# KiCad board PC110.kicad_pcb (continued)
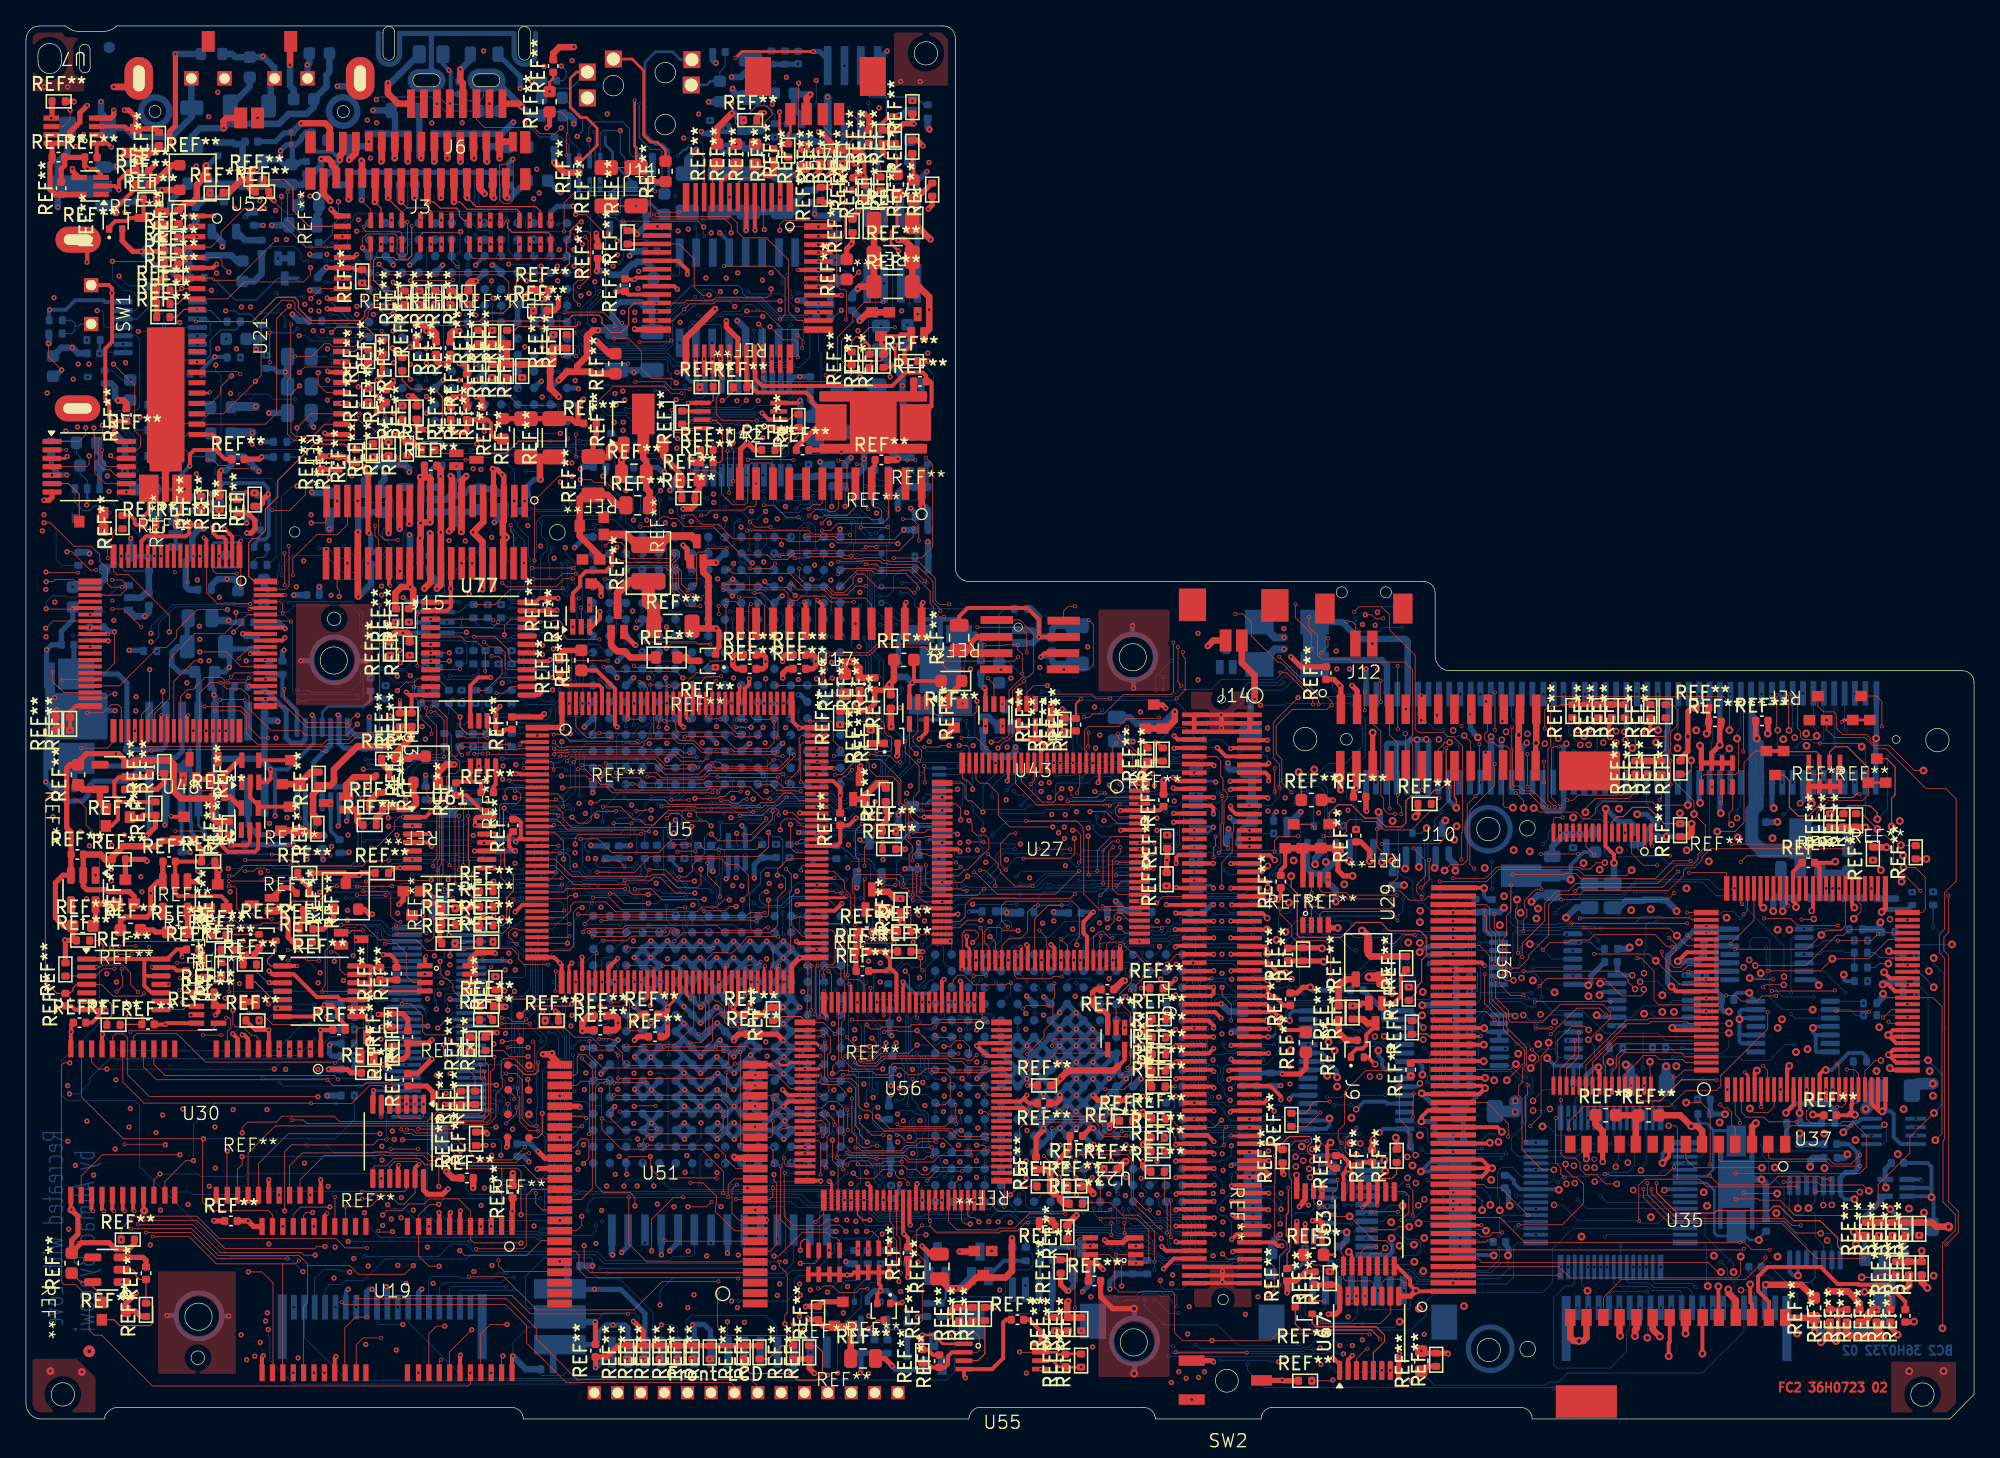
[diagram p0: board, top side]
## Routing (per net, layer and track width the routed paths; a pad name or vN(x,y) marks a point on that pad's centre or on a via; arc(x,y) is an arc through that point) (continued)
  IC4 w0.05: 69.54,61.95 69.39,61.95 69.3,61.86 69.3,55.33 67.09,53.12 v1(67.09,51.09) 67.09,49.49 66.19,48.59 66.19,47.27 65.81,46.89 65.81,45.79 66.16,45.44 66.16,44 66.46,43.7 66.46,42.93 66.24,42.71 65.77,42.71 65.57,42.91 65.57,43.73 65.82,43.98 65.82,45.17 65.19,45.8 v1(65.19,46.32) 65.19,46.84 65.8,47.45 65.8,48.81 66.7,49.71 66.7,50.29 66.46,50.53 66.46,53.15 68.9,55.59 68.9,62.38 68.65,62.63 68.65,63.15 68.9,63.4 69.53,63.4 ; 69.54,61.95 69.86,61.95 72.55,59.26 72.55,58.37 72.3,58.12 72.3,57.49 72.54,57.25 72.95,57.25 73.18,57.48 73.18,58.14 72.95,58.37 72.95,59.5 69.91,62.54 69.91,66.35 69.01,67.25 69.01,68.3 69.91,69.2 69.91,80.27 68.99,81.19 68.99,84.91 v1(69.57,85.49) 69.57,85.56 69,86.13 69,92.25 66.86,94.39 66.86,96.08 65.28,97.66 59.71,97.66 58.48,96.43 58.48,95.49 60.62,93.35 62.4,93.35 62.54,93.49 62.54,93.97 62.3,94.21 60.4,94.21 58.85,95.76 58.85,96.08 60.06,97.29 64.91,97.29 66.47,95.73 66.47,94.14 68.6,92.01 68.6,80.97 69.53,80.04 69.53,69.5 68.65,68.62 68.65,66.96 69.53,66.08 69.53,63.4 ; 69.54,61.95 69.53,61.96 69.53,63.4 ; 47.22,69.73 47.21,69.72 47.21,68.84 ; 47.22,69.73 47.4,69.73 47.61,69.94 47.61,72.18 48.94,73.51 49.48,73.51 49.68,73.31 49.68,72.86 49.36,72.54 48.98,72.54 47.98,71.54 47.98,70.13 48.25,69.86 48.25,69.07 48.02,68.84 47.21,68.84 ; 47.22,69.73 46.22,69.73 45.99,69.5 45.24,69.5 44.64,68.9 44.64,66.33 44.76,66.21 44.76,59.5 44.67,59.41 44.67,29.13 44.35,28.81 43.7,28.81 43.48,29.03 42.57,29.03 42.38,28.84 42.38,28.32 42.55,28.15 43.47,28.15 43.7,28.38 44.61,28.38 45.1,28.87 45.1,35.09 45.5,35.49 v1(45.58,35.49) 45.1,35.97 45.1,53.02 45.41,53.33 v1(45.54,53.33) 45.1,53.77 45.1,59.15 45.14,59.19 45.14,66.73 45.04,66.82 45.04,68.65 45.49,69.1 45.92,69.1 46.18,68.84 47.21,68.84 ; v1(10.68,45.77) 11.75,45.77 11.77,45.79 ; 38.2,68.1 38.16,68.1 38.14,68.12 38.14,81.56 38.82,82.24 38.82,82.9 38.81,82.9 38.61,83.1 38.14,83.1 37.95,82.91 37.95,82.3 37.84,82.19 37.75,82.19 ; 38.2,68.1 38.15,68.05 38.15,52.28 38.55,51.88 38.55,42.35 ; 38.2,68.1 38.21,68.11 38.49,68.11 39.04,68.66 39.04,70 40.18,71.14 40.18,71.86 v1(39.65,72.39) 40.16,72.9 40.16,79.51 v1(39.7,79.97) 39.7,80.07 40.65,81.02 40.65,83.22 39.9,83.97 36.59,83.97 35.78,84.78 35.78,85.93 35.52,86.19 35.52,86.61 35.79,86.88 36.23,86.88 36.48,86.63 36.48,86.19 36.23,85.94 36.23,85.07 36.92,84.38 40.14,84.38 41.06,83.46 41.06,80.74 40.57,80.25 40.57,70.91 39.44,69.78 39.44,68.36 38.55,67.47 38.55,52.51 38.88,52.18 38.88,38.31 38.14,37.57 38.14,37.28 37.8,36.94 37.52,36.94 37.19,37.27 37.19,37.5 37.64,37.95 37.87,37.95 38.55,38.63 38.55,42.35 ; 11.77,45.79 11.77,45.79 11.77,52.92 12.32,53.47 12.32,54.84 11.98,55.18 11.98,56.62 12.09,56.73 v1(12.39,56.73) 12.95,56.17 12.95,54.88 12.68,54.61 12.68,53.06 12.14,52.52 12.14,44.95 12.39,44.7 12.57,44.7 13.04,44.24 13.04,43.52 12.81,43.29 12.32,43.29 11.77,43.84 11.77,45.79 ; 65.08,73.18 65.08,72.82 ; 65.08,73.18 65.08,51.3 65.74,50.64 65.74,50.18 65.47,49.91 65.16,49.91 64.88,50.19 64.88,50.7 64.69,50.89 64.69,73.4 65.06,73.77 65.06,83.78 v1(64.21,84.63) 65.05,85.47 65.05,96.09 64.57,96.57 62.88,96.57 62.35,96.04 62.35,95.65 62.14,95.44 61.56,95.44 61.33,95.67 61.33,96.41 61.9,96.98 64.83,96.98 65.42,96.39 65.42,73.52 65.08,73.18 ; 39.79,56.12 v1(39.68,56.23) 39.68,56.34 40.02,56.68 40.78,56.68 40.99,56.47 40.99,55.65 40.74,55.4 40.74,35.64 40.63,35.53 40.63,34.28 40.76,34.15 40.76,33.51 40.89,33.38 40.89,32.23 41.13,31.99 41.13,31.84 41.17,31.81 41.17,31.26 40.93,31.02 40.39,31.02 40.23,31.18 40.23,31.95 40.52,32.24 40.52,33.09 40.38,33.23 40.38,33.88 40.29,33.97 40.29,35.82 40.37,35.9 40.37,55.35 40.11,55.61 40.11,55.85 39.84,56.12 39.79,56.12 ; 39.79,56.12 39.83,56.12 ; v1(22.71,18.43) 22.23,18.91 21.22,18.91 20.88,19.25 20.88,20.33 21.41,20.86 21.41,42.26 21.1,42.57 21.1,43.33 21.38,43.61 21.76,43.61 22.01,43.36 22.01,42.58 21.83,42.4 21.83,42.04 21.84,42.04 21.84,18.94 21.84,18.93 21.84,19.02 ; 93.2,24.12 93.2,23.4 93.04,23.24 92.49,23.24 92.25,23.48 91.85,23.48 91.67,23.3 91.3,23.3 90.03,24.57 90.03,29.21 89.66,29.58 88.34,29.58 88.12,29.8 88.12,30.21 89,31.09 89,34.1 88.75,34.35 88.6,34.35 88.16,34.79 88.16,35.33 88.32,35.49 88.85,35.49 89.37,34.97 89.37,30.69 90.41,29.65 90.41,25.49 91.47,24.43 92.05,24.43 92.37,24.11 93.19,24.11 93.2,24.12 ; 93.2,24.12 93.2,25 92.77,25.43 v1(92.76,25.43) ; 37.75,82.19 37.17,82.19 36.56,82.8 31.81,82.8 31.58,83.03 30.61,83.03 30.36,82.78 30.36,82.4 30.63,82.13 31.57,82.13 31.82,82.38 36.36,82.38 37.41,81.33 37.41,51.79 37.22,51.6 37.22,50.23 37.71,49.74 v1(37.71,49.72) ; 37.75,82.19 37.75,52 38.12,51.63 38.12,43.72 37.81,43.41 37.46,43.41 37.17,43.12 37.17,42.67 37.49,42.35 38.55,42.35 ; 28.79,57.69 29.26,58.16 29.26,58.64 29.09,58.81 28.4,58.81 26.19,61.02 26.19,64.09 25.12,65.16 25.12,68.65 28.41,71.94 28.41,74.7 26.53,76.58 26.53,76.6 26.35,76.78 26.35,79.46 26.95,80.06 v1(27.05,80.06) 27.62,80.63 28.09,80.63 28.75,81.29 28.75,81.71 28.6,81.86 27.64,81.86 25.97,80.19 25.97,78.65 ; 28.79,57.69 28.45,58.03 28.16,58.03 25.55,60.64 25.55,63.31 v1(25.61,63.37) 25.61,63.99 24.72,64.88 24.72,69.04 26.88,71.2 26.88,75.33 ; 28.79,57.69 29.06,57.42 29.06,56.94 28.9,56.78 28.34,56.78 27.19,57.93 26.65,57.93 v1(26.17,58.41) 26.11,58.47 26.11,59.39 24.87,60.63 24.87,63.92 24.33,64.46 24.33,69.29 26.48,71.44 26.48,75.28 25.56,76.2 25.56,77.05 25.07,77.54 25.07,78.46 25.26,78.65 25.97,78.65 ; 62.58,69.91 62.57,69.92 62.57,70.79 ; 62.58,69.91 62.56,69.89 61.89,69.89 61.62,70.16 61.62,70.69 61.86,70.93 61.86,72.06 62.3,72.5 63.03,72.5 63.33,72.8 63.33,73.28 62.82,73.79 v1(62.82,74.53) 63.78,74.53 63.97,74.34 63.97,73.46 63.74,73.23 63.74,72.56 63.29,72.11 62.55,72.11 62.26,71.82 62.26,70.95 62.42,70.79 63.43,70.79 63.79,70.43 63.79,68.25 62.95,67.41 62.95,55.46 61.91,54.42 61.91,42.14 64.81,39.24 64.81,36.05 65.29,35.57 65.29,35.09 65.05,34.85 64.63,34.85 64.43,35.05 64.43,38.97 61.54,41.86 61.54,54.62 62.5,55.58 62.5,67.58 63.35,68.43 63.35,69.43 62.89,69.89 62.58,69.89 62.58,69.91 ; 26.88,75.33 26.88,75.58 25.96,76.5 25.96,76.97 25.97,76.98 25.97,78.65 ; 26.88,75.33 27.12,75.33 28.01,74.44 28.01,72.32 27.19,71.5 26.88,71.5 ; 87.54,24.07 87.78,24.31 87.78,25.17 87.57,25.38 86.48,25.38 86.02,24.92 v1(86.02,24.87) 87.12,23.77 87.12,20.61 87.52,20.21 87.52,16.96 86.78,16.22 86.78,15.7 87.03,15.45 87.51,15.45 87.93,15.87 87.93,20.56 87.54,20.95 87.54,24.07 ; 50.63,35.55 50.24,35.16 50.24,20.29 51.22,19.31 51.22,18.84 50.94,18.56 50.54,18.56 49.82,19.29 49.82,37.79 50.17,38.14 50.17,41.41 49.94,41.64 49.94,42.59 50.12,42.76 50.62,42.76 50.82,42.56 50.82,41.66 50.57,41.41 50.57,37.86 50.22,37.51 50.22,36.14 50.24,36.11 50.24,36.06 50.69,35.61 v1(50.69,35.55) 50.63,35.55 ; 16.74,57.65 16.74,55.03 16.04,54.33 16.04,43.32 16.98,42.38 16.98,38.28 16.24,37.54 16.24,36.12 16.53,35.83 17.04,35.83 17.1,35.77 v1(17.27,35.77) 17.27,36.96 17.37,37.06 17.37,42.63 16.37,43.63 16.37,53.98 17.16,54.77 17.16,57.6 17.42,57.86 17.42,58.68 17.22,58.88 16.72,58.88 16.53,58.69 16.53,57.86 16.74,57.65 ; 53.99,75 53.99,75.44 54.29,75.74 54.67,75.74 54.92,75.49 54.92,74.91 54.71,74.7 54.71,69.08 54.64,69.01 54.64,68.49 54.7,68.43 54.7,66.83 54.92,66.61 54.92,65.76 54.69,65.54 53.62,65.54 v1(53.16,65.99) 53.16,66.11 54.29,67.24 54.29,68.19 54.22,68.26 54.22,69.21 54.32,69.31 54.32,74.68 53.99,75 ; 63.01,51.22 63.42,51.22 63.65,50.99 63.65,50.37 63.52,50.24 63.52,47.83 63.25,47.56 63.25,45.37 63.7,44.92 63.7,44.53 63.83,44.4 63.83,43.01 v1(63.3,42.48) 63.28,42.48 62.89,42.87 62.89,47.51 62.73,47.67 v1(62.73,48.04) 63.11,48.42 63.11,49.74 62.74,50.11 62.74,50.95 63.01,51.22 ; 106.04,52.01 106.04,48.64 105.29,47.89 101.83,47.89 v1(101.27,48.45) 100.52,48.45 100.17,48.1 100.17,47.47 100.41,47.23 101.24,47.23 101.51,47.5 102.61,47.5 v1(103.27,46.84) 103.27,46.85 103.9,47.48 105.55,47.48 106.44,48.37 106.44,51.99 106.68,52.23 106.68,53.08 106.5,53.26 106,53.26 105.82,53.08 105.82,52.24 106.04,52.01 ; 46.25,36.63 46.25,37.71 46.5,37.96 46.5,42.12 47.13,42.75 47.13,56.11 46.77,56.47 46.77,57.09 v1(46.8,57.12) 46.82,57.14 46.82,57.21 47.36,57.75 48.04,57.75 48.38,57.41 48.38,56.78 47.49,55.89 47.49,42.31 46.93,41.75 46.93,37.95 47.18,37.7 47.18,36.65 46.95,36.42 46.46,36.42 46.25,36.63
  BC1 w0.05: 54.37,99.93 54.59,99.93 55.09,99.43 57.52,99.43 57.8,99.16 57.87,99.16 58.08,98.94 58.08,98.62 57.88,98.41 57.55,98.41 57.25,98.71 57.25,98.79 57.1,98.94 52.91,98.94 52.72,98.75 51.79,98.75 51.53,99.01 51.53,100.21 51.31,100.43 51.31,100.84 51.48,101.01 52.85,101.01 53.08,100.79 53.08,99.66 53.07,99.66 ; 54.37,99.93 53.52,99.93 53.25,99.66 51.53,99.66 ; 54.37,99.93 v1(54.37,100.61) ; 38.11,89.45 38.11,90.83 37.92,91.02 37.48,91.02 36.73,90.27 36.43,90.27 36.25,90.45 36.25,90.77 36.9,91.42 38.24,91.42 38.55,91.11 38.55,89.42 38.71,89.26 40.01,89.26 40.12,89.15 40.12,88.57 39.93,88.38 38.72,88.38 38.11,88.99 38.11,89.45 ; 38.11,89.45 38.11,89.53 37,89.53 36.38,88.91 36.37,88.92 v1(35.92,88.92) ; v1(27.39,64.18) 27.68,63.89 27.68,63.72 27.82,63.58 27.82,62.48 27.06,61.72 27.06,57.7 26.95,57.59 26.95,57 26.69,56.74 26.34,56.74 26.16,56.92 26.16,58.4 v1(26.17,58.41) ; 134.91,45.99 v3(134.91,46.01) ; v11(58.5,71.1) 58.5,73.88 58.37,74.01 v11(58.37,74.5) ; 46.9,96.93 47.73,97.76 50.31,97.76 51.62,96.45 58.06,96.45 59.09,97.48 59.09,99.36 58.78,99.67 58.78,100.87 58.35,101.3 v1(57.49,101.3) 57.49,99.85 58.33,99.01 58.33,97.7 57.63,97 51.75,97 50.54,98.21 51.71,97.04 50.49,98.26 47.47,98.26 46.78,97.57 47.42,98.21 46.47,97.26 46.47,93.8 46.28,93.61 46.28,93.24 46.48,93.04 46.83,93.04 47.03,93.24 47.03,93.69 46.9,93.81 46.9,96.93 ; 46.9,96.93 46.95,96.98 ; v11(63.6,69.04) 63.6,69.22 62.93,69.89 61.85,69.89 v11(60.61,71.13) ; v11(65.72,57.19) 64.54,56.01 64.54,55.35 65.45,54.44 v11(65.48,54.44) ; v1(42.84,39.41) 42.85,39.41 42.86,39.42 43.36,39.42 43.86,38.92 43.86,34.25 44.43,33.68 45.83,33.68 45.87,33.72 59.16,33.72 60.09,34.65 60.41,34.65 60.5,34.74 61.5,34.74 v11(61.51,34.75) ; v11(42.65,75.39) 42.65,76.92 42.43,77.14 39.03,77.14 38.15,78.02 38.15,79.16 v11(37.99,79.32) ; v1(43.93,91.37) 43.99,91.37 45.14,92.52 v11(45.14,93.43) ; v11(63.93,43.93) 64.28,43.93 64.4,43.81 64.4,40.68 64.31,40.59 v11(64.31,40.15) 64.31,39.69 64.05,39.43 64.05,37.3 64.37,36.98 64.37,36.57 64.17,36.37 63.72,36.37 63.62,36.47 63.28,36.47 v11(62.97,36.16) ; v11(65.73,63.4) 65.48,63.15 65.48,62.19 64.7,61.41 62.28,61.41 61.45,60.58 61.45,59.84 61.16,59.55 60.1,59.55 v11(59.55,59) ; v11(59.79,69.36) 59.79,68.45 v11(60.16,68.08) ; v11(44.23,74.87) 44.27,74.83 v11(45.98,74.83) ; 8.44,54.58 v1(8.46,54.56) ; v1(24.69,46.07) 21.94,46.07 21.83,45.96 21.83,45.23 21.29,44.69 20.32,44.69 20.17,44.54 20.17,43.85 20.28,43.74 21.69,43.74 23.13,45.18 24.25,45.18 24.69,45.62 v1(24.69,46.07) ; 45.94,72.05 45.23,72.76 45.23,73.7 45.44,73.91 v1(45.86,73.91) 45.86,73.09 46.42,72.53 46.42,72.17 46.3,72.05 45.94,72.05
  BC1 w0.2: v13(60.28,73.57) 61.12,74.41 62.7,74.41 v1(62.82,74.53)
  BC1 w0.4: v1(6.86,54.58) 6.88,54.56 8.42,54.56 8.44,54.58
  BC2 w0.05: v11(58.37,74.5) 58.05,74.82 52.96,74.82 51.61,76.17 50.04,76.17 48.28,74.41 47.23,74.41 46.81,74.83 v11(45.98,74.83) ; 41.43,7.47 X4.3 ; X4.3 40.05,7.82 39.32,7.09 38.72,7.09 37.5,5.87 v1(37.5,4.84) ; X4.3 40.38,8.52 38.7,8.52 38.47,8.75 38.47,10.98 39.9,12.41 43.54,12.41 43.64,12.31 v1(43.64,11.8) ; 39.61,3.77 39.61,3.46 39.71,3.36 41.37,3.36 42.62,4.61 43.35,4.61 44.54,5.8 44.54,6.41 44.86,6.73 45.73,6.73 45.77,6.69 45.77,3.93 46.05,3.65 47.13,3.65 ; v11(64.31,40.15) 63.51,40.15 62.41,41.25 59.35,41.25 58.09,39.99 v1(57.19,39.99) ; v1(43.64,11.8) 43.64,11.29 44.13,10.8 45.72,10.8 48.29,8.23 48.29,3.76 48.18,3.65 47.13,3.65 ; v1(43.64,11.8) 43.63,11.81 ; v11(60.61,71.13) 60.58,71.1 v11(58.5,71.1) ; 85.24,60.47 85.24,60.49 85.3,60.55 ; 62.7,66.72 62.79,66.72 63.6,67.53 v11(63.6,69.04) ; v1(57.87,69.36) v11(59.79,69.36) ; v11(61.51,34.75) 61.51,34.92 61.48,34.95 ; 68.47,65.47 67.42,65.47 66.83,64.88 66.83,63.86 66.37,63.4 v11(65.73,63.4) ; 15.11,7.93 15.09,7.95 ; 60.17,67.99 60.16,68 v11(60.16,68.08) ; 25.63,58.41 25.54,58.5 ; 85.39,8.46 v3(85.35,8.5) ; 39.66,79.97 v1(39.7,79.97) ; v11(59.55,59) 59.48,59.07 58.91,59.07 ; 62.72,66.69 62.72,66.18 62.95,65.95 64.72,65.95 65,65.67 65,60.83 65.12,60.71 65.12,59.03 65.72,58.43 v11(65.72,57.19) ; 85.24,56.91 85.24,56.97 85.3,57.03 ; v3(142.51,52.45) 142.53,52.47 ; v1(62.73,48.04) 62.72,48.05 ; 32.12,80.05 v1(32.13,80.05) ; REF**#682.1 93.34,26.63 93.16,26.45 93.16,25.83 v1(92.76,25.43) ; v11(42.65,75.39) 43.71,75.39 v11(44.23,74.87) ; v1(62.71,68.59) 62.7,68.59 ; v11(63.93,43.93) 63.93,44.36 63.73,44.56 63.73,44.89 64.02,45.18 64.48,45.18 64.61,45.31 65.7,45.31 65.97,45.58 65.97,46.06 65.75,46.28 65.75,47.11 66.21,47.57 66.21,50.8 66.68,51.27 66.68,51.59 65.48,52.79 v11(65.48,54.44) ; 142.99,23.71 v3(142.98,23.7) ; v1(103.22,57.8) 103.23,57.79 ; 85.39,3.53 v3(85.36,3.5) ; 21.95,58.43 22.02,58.5 ; 47.13,3.65 47.03,3.65 47.03,6.83 47.21,7.01 47.21,7.85 46.89,8.17 44.55,8.17 v1(43.85,7.47) ; v11(37.99,79.32) 37.99,79.33 37.87,79.45 ; v1(29.56,88.93) 29.57,88.93 ; v5(122.49,52.13) 122.43,52.07 ; v5(113.68,52.34) 113.63,52.29 ; 11.55,7.97 11.57,7.95 ; v1(37.29,35.25) 37.25,35.29
  BC2 w0.08: 125.57,45.87 REF**#688.2 ; 21.15,93.69 REF**#702.2 ; v3(130.87,23.49) 130.86,23.5 ; X2.3 2.4,55.59 v1(2.22,55.59) ; X2.3 1.59,56.4 ; X2.3 1.53,51.96 ; 25.13,102.7 U52.9 ; REF**#640.1 22.18,101.71 ; v3(128.29,45.87) 128.28,45.86 ; v1(68.75,44.42) 68.76,44.41 ; 66.59,18.89 v1(66.52,18.82) ; v1(18.71,77.52) 18.72,77.53 ; v3(106.15,41.14) 106.14,41.13 ; v1(26.73,100.85) 26.74,100.84 ; 60.75,92.88 v1(60.74,92.87) ; v1(40.69,96.82) 40.7,96.83 ; v1(46.83,80.66) 46.85,80.66 ; REF**#623.1 2.09,81.91 ; 69.43,11.14 REF**#603.1 ; v3(101.73,14.39) 101.69,14.44 ; v3(107.35,35.98) 107.43,35.98 ; 70.48,7.86 REF**#794.1 ; 134.9,46 v3(134.91,46.01) ; v3(107.29,42.54) 107.3,42.55 ; 29.58,64.13 v1(29.59,64.12) ; 66.39,77.1 REF**#529.1
  BC2 w0.2: U6.23 91.57,49.15 v1(91.64,49.08) ; v1(49.36,53.23) 49.36,54.6 50.02,55.26 49.34,55.94 49.34,56.75 49.27,56.82 v1(49.27,57.11) ; 36.18,25.78 v1(36.24,25.72) 36.16,25.8 34.3,25.8 J2.36 ; v1(39.75,82.6) 39.75,83.92 U23.L7 39.75,85.14 v1(39.75,86.3) ; U6.39 91.22,41.15 v1(91.46,40.91) ; 26.8,25.28 v1(26.77,25.31) 26.79,25.29 J2.26 ; v1(27.31,32.98) 27.62,33.29 J2.10
  BC2 w0.3: 146.77,17.87 146.77,19.42 146.47,19.72 144.64,19.72 ; 146.77,17.87 146.71,17.81 REF**#793.2 ; 146.77,17.87 v3(146.77,17.09) ; 142.99,23.71 143.64,23.71 143.86,23.49 143.86,21.73 144.41,21.19 REF**#823.4 ; v3(105.51,21.68) 105.51,21.15 105.67,20.98 ; U25.P1 69.58,32.79 68.44,32.79 v1(67.56,33.67) ; v3(138.09,33.43) 138.09,33.53 137.77,33.85 U39.7 ; 24.77,48.71 U9.1 24.77,46.15 v1(24.69,46.07) ; U40.7 137.92,28.29 137.86,28.35 137.86,29.57 137.87,29.58 ; 137.87,29.58 137.64,29.81 v3(137.64,30.13) 137.75,30.24 U40.4 ; 137.87,29.58 137.88,29.59 U40.5 ; REF**#859.7 139.75,17.28 140.1,16.93 v3(140.84,16.93) ; U8.1 99.47,20.29 v5(99.08,19.9) ; v3(104.69,19.09) 103.32,19.09 U14.23 ; v3(146.77,17.09) 146.68,17.18 ; v3(146.77,17.09) 146.7,17.16 REF**#793.3 ; v3(146.77,17.09) 146.93,16.93 146.93,14.9 146.84,14.81 ; REF**#454.3 107.84,36.39 107.43,35.98 ; U8.19 92.95,19.64 v1(92.84,19.53) ; U54.7 114.63,31.13 v5(114.71,31.05) ; v3(131.98,30.81) 131.98,29.62 ; v3(131.98,30.81) 132.16,30.81 132.24,30.89 U40.12 ; v3(131.98,30.81) 131.98,31.38 132.14,31.54 U40.13 ; 131.98,29.62 132.14,29.62 132.17,29.59 U40.10 ; 131.98,29.62 131.98,29.09 132.12,28.95 132.28,28.95 132.29,28.94 U40.9 ; v3(126.06,19.73) 126.06,20.46 126.3,20.7 U31.18 ; v3(113.06,12.6) 113.03,12.64 U14.12 ; REF**#807.3 54.1,41.79 v1(53.93,41.62) ; 14.58,53.76 U8#2.5 ; U54.4 U54.5 112.61,29.83 v3(112.32,30.12) ; v3(126.8,30.14) 126.97,30.31 U41.7 ; U14.13 103.28,12.63 105.06,12.63 105.25,12.82 105.25,13.05 105.26,13.06 105.25,13.07 105.25,13.44 105.19,13.5 v3(105.19,13.94) 105.19,13.78 ; v1(51.16,73.96) 51.45,73.96 51.65,73.77 U26.12 ; REF**#642.2 32.92,102.1 32.71,102.31 32.71,103.8 v1(32.58,103.93) 32.12,104.39 REF**#480.1 ; v5(102.46,23.86) 103.05,24.45 104.7,24.45 104.85,24.3 REF**#853.12 ; 11.92,50.33 12.01,50.24 12.37,50.24 12.37,50.4 12.62,50.65 12.62,50.16 12.51,50.05 10.76,50.05 10.86,49.94 12.66,49.94 12.66,46.05 12.73,45.98 12.73,45.22 13.14,44.81 13.14,44.21 13.52,43.83 REF**#701.1 14.37,43.83 v1(14.9,44.36) 14.58,44.68 U8#2.12 ; 141.11,20.51 141.08,20.51 140.41,21.18 140.16,21.18 ; U31.24 126.25,17.7 v5(126.19,17.64) ; v3(112.31,40.91) 112.31,40.32 112.6,40.03 REF**#596.2 ; 101.69,14.44 U8.10 ; v1(50.14,80.66) 50.74,80.66 50.92,80.48 50.92,80.25 51.24,79.93 U26.13 ; 37.25,35.29 J2.55 ; v1(19.19,46.47) 19.19,49.71 v1(18.84,50.06) 20.12,50.06 20.14,50.04 22.17,52.07 U9.10 22.17,54.11 v1(22.04,54.24)
  BC2 w0.35: 130.21,35.17 130.21,36.45 ; 130.21,34.5 130.21,32.98 130.58,32.61
  BC2 w0.4: v1(79.63,23.68) 79.03,23.08 78.92,23.08 78.38,22.54 v1(78.38,22.41) ; v1(79.63,23.68) 79.63,23.64 80.19,23.08 ; v1(79.63,23.68) 80.19,24.24 80.19,24.35 ; v1(79.63,23.68) 79.59,23.68 78.92,24.35 ; 80.19,26.89 80.23,26.89 v1(80.9,26.22) ; 80.19,26.89 80.19,26.92 v1(79.63,27.48) ; 80.19,26.89 80.79,27.49 v1(80.91,27.49) ; v1(50.71,24.1) 50.05,24.76 U1.F12 50.63,25.37 v1(50.73,25.37) ; v1(50.71,24.1) 50.74,24.1 U1.G13 51.36,23.52 v1(51.95,24.11) ; v1(50.71,24.1) 50.63,24.1 U1.F13 ; 19.39,97.15 19.23,96.99 REF**#621.2 18.26,96.75 v1(17.78,96.27) ; 19.39,97.15 19.6,97.36 v1(19.6,97.73) 20.08,98.21 REF**#649.1 ; 19.39,97.15 19.86,96.68 REF**#598.2 ; 77.65,25.62 77.65,25.66 v1(77.09,26.22) ; 77.65,25.62 78.25,25.02 v1(78.37,25.02) ; 77.65,25.62 78.92,26.89 ; v1(77.1,28.76) 77.1,28.71 77.65,28.16 ; v1(77.1,28.76) 76.5,28.16 76.38,28.16 ; v1(77.1,28.76) 77.1,28.88 77.65,29.43 78.92,28.16 ; v1(77.1,28.76) 77.05,28.76 76.38,29.43 75.79,28.84 ; J8.66 115.23,51.73 v5(115.6,52.1) ; 50.73,27.93 U1.G10 51.96,26.69 v1(51.96,26.64) 52.59,27.27 U1.H10 53.18,27.92 v1(53.22,27.92) 53.81,27.33 U1.J10 v1(54.55,26.64) 55.13,27.22 U1.K10 55.81,28.01 v1(55.81,28.04) ; 50.73,27.93 50.65,27.93 U1.F10 50.05,27.32 v1(50.7,26.67) ; 50.73,27.93 U1.F9 50.68,29.23 50.68,29.25 ; J8.100 142.48,52.42 142.53,52.47 J8.1 ; U39.13 130.41,37.1 130.21,36.9 130.21,36.45 U39.12 ; v1(83.44,26.23) 82.78,26.89 82.73,26.89 ; v1(83.44,26.23) 83.34,26.23 82.73,25.62 ; v1(83.44,26.23) 84,26.79 84,26.89 ; v1(82.19,26.21) 82.73,25.67 82.73,25.62 ; v1(82.19,26.21) 82.05,26.21 81.46,25.62 ; v1(82.19,26.21) 82.14,26.21 81.46,26.89 ; v1(82.19,26.21) 82.19,26.35 ; v1(80.9,26.22) 80.9,26.33 81.46,26.89 ; v1(80.9,26.22) 81.46,25.66 81.46,25.62 ; v1(80.9,26.22) 80.3,25.62 80.19,25.62 ; 77.65,24.35 77.1,23.8 v1(77.1,23.68) ; 77.65,24.35 77.72,24.35 v1(78.39,23.68) ; 77.65,24.35 77.7,24.35 v1(78.37,25.02) ; 130.86,23.5 129.75,23.5 129.75,24.62 129.74,24.63 ; 50.73,33 U1.G6 51.32,32.37 v1(51.97,31.72) 52.59,32.34 U1.H6 U1.J5 54.51,34.33 ; 50.73,33 U1.F5 50.65,34.28 50.72,34.28 ; 50.73,33 50.64,33 U1.F6 v1(50.69,31.77) U1.G7 51.34,31.14 v1(51.97,30.51) 51.97,30.52 U1.H7 52.59,31.15 v1(53.18,31.74) 53.26,31.74 U1.J7 54.48,30.52 54.52,30.52 54.52,30.53 U1.K7 55.78,31.79 v1(55.78,31.92) ; v1(43.65,48.26) 43.67,48.28 43.67,48.91 ; 78.92,26.89 77.65,28.16 ; 78.92,26.89 79.04,26.89 v1(79.63,27.48) ; 77.65,28.16 77.09,27.6 v1(77.09,27.5) ; 77.65,28.16 78.92,29.43 ; REF**#483.2 46.52,44.16 v1(46.57,44.21) ; REF**#556.1 120.56,34.16 120.55,34.16 120.55,33.63 v3(120.34,33.42) 120.27,33.49 U28.7 ; v1(27.04,77.51) 27.71,78.18 ; 69.43,11.14 69.35,11.22 69.35,12.99 v1(69.02,13.32) ; v1(50.69,30.48) 50.66,30.48 U1.F8 50.68,29.25 ; v1(50.69,30.48) 50.69,30.5 U1.F7 ; v1(50.69,30.48) 51.3,29.87 U1.G8 51.81,29.38 51.88,29.38 51.99,29.27 U1.H8 53.22,30.5 v1(53.25,30.5) 53.86,29.89 U1.J8 54.53,29.2 v1(54.53,29.15) 55.13,29.75 U1.K8 55.71,30.45 v1(55.81,30.45) ; v1(78.38,22.41) 78.32,22.41 77.65,23.08 ; v1(78.38,22.41) 77.78,21.81 77.65,21.81 78.26,21.21 78.32,21.21 ; v1(78.38,22.41) 78.92,21.87 78.92,21.81 ; v1(82.18,28.76) 82.13,28.76 81.46,29.43 ; v1(82.18,28.76) 82.18,28.71 82.73,28.16 ; v1(82.18,28.76) 81.58,28.16 81.46,28.16 ; v1(82.18,28.76) 82.73,29.31 82.73,29.43 82.17,29.99 v1(82.17,30.03) ; v1(80.9,30.03) 80.9,30.14 81.46,30.7 ; v1(80.9,30.03) 80.3,29.43 80.19,29.43 ; v1(80.9,30.03) 80.86,30.03 80.19,30.7 ; v1(80.9,30.03) 81.46,29.47 81.46,29.43 ; 81.46,30.7 81.46,30.73 v1(80.89,31.3) ; 81.46,30.7 81.5,30.7 v1(82.17,30.03) ; v1(80.89,31.3) 80.79,31.3 80.19,30.7 ; v1(80.89,31.3) 80.22,31.97 80.19,31.97 79.62,31.4 v1(79.62,31.31) 79.01,30.7 78.92,30.7 79.59,30.03 v1(79.63,30.03) ; v1(80.9,28.76) 81.46,28.2 81.46,28.16 ; v1(80.9,28.76) 80.79,28.76 80.19,28.16 ; v1(80.9,28.76) 80.86,28.76 80.19,29.43 ; v1(80.9,28.76) 81.46,29.32 81.46,29.43 ; 82.73,26.89 82.73,26.96 v1(82.19,27.5) ; 82.73,26.89 84,28.16 ; 82.73,26.89 82.19,26.35 ; v1(82.17,30.03) 81.57,29.43 81.46,29.43 ; v1(77.1,23.68) 77.05,23.68 76.38,24.35 ; v1(77.1,23.68) 77.65,23.13 77.65,23.08 ; v1(77.1,23.68) 76.98,23.68 76.38,23.08 ; 82.73,23.08 82.2,23.61 v1(82.2,23.67) ; 82.73,23.08 83.41,22.4 v1(83.47,22.4) 83.32,22.4 82.73,21.81 82.73,21.88 v1(82.2,22.41) 82.13,22.41 81.46,23.08 ; 82.73,23.08 82.87,23.08 v1(83.46,23.67) ; 80.19,23.08 80.29,23.08 v1(80.9,23.69) ; 80.19,23.08 80.24,23.08 v1(80.91,22.41) ; 80.19,23.08 80.19,22.96 v1(79.64,22.41) ; 125.57,45.87 124.84,46.6 v3(124.1,46.6) ; v1(79.64,22.41) 80.19,21.86 80.19,21.81 80.79,22.41 v1(80.91,22.41) ; v1(79.64,22.41) 79.52,22.41 78.92,21.81 ; J8.85 130.48,46.74 v3(130.54,46.68) ; 84,26.89 84.68,26.21 v1(84.74,26.21) ; 84,26.89 84,28.16 ; 81.46,23.08 81.61,23.08 v1(82.2,23.67) ; 81.46,23.08 80.9,23.64 v1(80.9,23.69) ; 81.46,23.08 81.46,22.96 v1(80.91,22.41) ; REF**#644.1 15.99,59.34 15.98,59.35 15.54,59.35 REF**#565.1 15.66,59.23 v1(15.66,57.92) 15.31,57.57 14.55,57.57 14.26,57.29 REF**#465.1 14.48,56.2 v1(14.48,55.79) 14.57,55.71 U8#2.5 ; v1(51.95,24.11) 52,24.11 U1.H13 52.66,23.52 v1(53.24,24.1) 53.28,24.1 U1.J13 53.98,23.52 v1(54.55,24.09) ; v1(51.95,24.11) 51.95,24.16 U1.G12 50.74,25.37 v1(50.73,25.37) ; v1(51.95,24.11) 51.95,24.15 U1.H12 53.18,25.38 v1(53.25,25.38) 53.84,24.79 U1.J12 54.55,24.1 v1(54.55,24.09) ; v1(55.81,30.45) 55.82,30.45 U1.L8 55.78,29.25 ; v1(55.81,30.45) 56.4,31.04 U1.L7 55.78,31.76 v1(55.78,31.92) ; v1(80.91,24.94) 80.78,24.94 80.19,24.35 ; v1(80.91,24.94) 81.46,25.49 81.46,25.62 ; v1(80.91,24.94) 80.91,24.9 81.46,24.35 ; v1(80.91,24.94) 80.87,24.94 80.19,25.62 ; 78.92,28.16 79.02,28.16 v1(79.62,28.76) ; 78.92,28.16 79.6,27.48 v1(79.63,27.48) ; 78.92,28.16 77.65,26.89 ; 76.38,28.16 75.79,28.75 75.79,28.84 ; 76.38,28.16 77.04,27.5 v1(77.09,27.5) ; 65.48,9.88 65.33,9.88 64.81,9.36 REF**#605.2 ; 65.48,9.88 66.33,9.88 66.88,9.33 REF**#602.2 ; 65.48,9.88 v1(65.83,9.88) ; 139.47,21.18 140.16,21.18 ; v1(55.78,31.92) 56.27,32.41 U1.L6 55.78,33.04 55.78,33.06 ; 81.46,26.89 82.07,27.5 v1(82.19,27.5) ; 81.46,26.89 81.46,26.94 v1(80.91,27.49) ; REF**#721.2 38.64,71.9 39.13,72.39 v1(39.65,72.39) ; REF**#757.2 144.95,39.26 143.13,39.26 v3(142.94,39.07) ; v1(27.76,10.19) 27.84,10.11 J7.9 ; 81.46,28.16 80.91,27.61 v1(80.91,27.49) ; 103.23,57.79 J8.50 ; REF**#785.1 68.97,3.8 REF**#498.1 67,3.8 v1(66.73,4.07) ; 78.92,29.43 79.03,29.43 v1(79.63,30.03) ; 78.92,29.43 79.59,28.76 v1(79.62,28.76) ; REF**#580.1 37.7,43.77 v1(37.71,43.78) ; 113.91,17.81 114.19,17.53 114.19,16.52 v3(114.28,16.43) ; v1(54.55,24.09) 54.55,24.21 55.13,24.79 ; v1(54.55,24.09) 54.56,24.09 U1.K13 U1.L12 ; v1(92.72,46.36) 93.03,46.06 REF**#604.1 94.23,46.06 93.42,45.25 REF**#765.1 ; 12.62,51.25 12.62,51.55 ; 12.62,51.25 12.62,49.98 ; 12.62,51.25 12.62,51.03 11.92,50.33 9.03,50.33 8.76,50.06 ; REF**#809.2 68.5,69.82 v1(68.14,70.18) ; v1(79.63,30.03) 79.63,29.99 80.19,29.43 ; v1(79.63,30.03) 79.63,30.14 80.19,30.7 ; 82.73,24.35 83.41,23.67 v1(83.46,23.67) ; 82.73,24.35 82.2,24.88 v1(82.2,24.94) ; 82.73,24.35 84,25.62 ; 82.73,24.35 82.2,23.82 v1(82.2,23.67) ; 80.19,28.16 80.19,28.04 v1(79.63,27.48) ; 80.19,28.16 80.24,28.16 v1(80.91,27.49) ; 77.65,23.08 77.79,23.08 v1(78.39,23.68) ; v1(83.46,23.67) 83.46,23.81 84,24.35 84,25.62 ; v1(103.27,46.84) 103.23,46.88 J8.51 ; v1(82.2,24.94) 82.73,25.47 82.73,25.62 ; v1(82.2,24.94) 82.05,24.94 81.46,24.35 ; v1(78.39,23.68) 78.39,23.82 78.92,24.35 ; 50.68,29.25 U1.G9 51.32,28.56 v1(51.96,27.92) 51.96,27.97 U1.H9 52.87,28.6 v1(53.46,29.19) 53.46,29 U1.J9 53.86,28.57 v1(54.52,27.91) 54.52,27.99 U1.K9 55.78,29.25 ; 80.19,24.35 80.85,23.69 v1(80.9,23.69) ; 80.19,24.35 80.19,24.41 v1(79.64,24.96) ; REF**#523.2 19.1,80.96 19.37,80.69 v1(19.98,80.69) ; v1(28.29,88.93) 28.29,89.03 U23.B3 ; 43.66,67.99 43.09,67.99 v1(42.25,67.15) ; 46.21,56.53 v1(46.8,57.12) ; 80.19,29.43 79.62,28.86 v1(79.62,28.76) ; v3(98.93,33.26) 99.14,33.05 REF**#758.2 ; 55.75,26.68 55.79,26.68 U1.L11 55.13,24.79 ; 55.75,26.68 U1.L10 55.81,27.92 v1(55.81,28.04) ; 55.75,26.68 U1.K11 54.52,25.45 v1(54.52,25.38) 53.86,26.04 U1.J11 v1(53.28,26.64) 52.7,26.06 U1.H11 51.97,25.44 v1(51.97,25.4) 51.32,26.05 U1.G11 50.71,26.67 v1(50.7,26.67) ; U1.G4 51.97,34.31 ; U1.G4 51.29,34.95 v1(50.69,35.55) 50.09,34.95 U1.F4 50.72,34.28 ; U1.G4 51.91,35.54 v1(51.94,35.54) 52.53,34.95 U1.H4 53.2,35.56 v1(53.21,35.56) 53.82,34.95 U1.J4 54.45,35.54 v1(54.51,35.54) 55.1,34.95 U1.K4 ; 51.97,34.31 51.95,34.31 U1.G5 50.72,34.28 ; 51.97,34.31 U1.H5 U1.J6 53.86,32.35 v1(54.49,31.72) 54.49,31.77 U1.K6 55.78,33.06 ; v3(107.48,22.93) 108.31,22.93 108.54,22.7 108.54,21.98 108.86,21.66 109.78,21.66 ; v1(80.9,23.69) 80.9,23.79 81.46,24.35 ; v1(77.09,26.22) 77.05,26.22 76.38,26.89 ; v1(77.09,26.22) 77.65,26.78 77.65,26.89 ; v1(77.09,26.22) 76.98,26.22 76.38,25.62 75.11,26.89 73.84,26.89 73.84,26.82 v1(73.25,26.23) ; v1(82.2,23.67) 82.14,23.67 81.46,24.35 ; v1(84.74,26.21) 84.74,26.36 85.27,26.89 ; v1(84.74,26.21) 84.15,25.62 84,25.62 ; v1(66.33,105.42) 65.6,104.69 U45.4 ; v1(19.96,60.9) 19.47,61.39 REF**#743.1 ; 78.92,24.35 79.03,24.35 v1(79.64,24.96) ; 78.92,24.35 78.92,24.47 v1(78.37,25.02) ; 77.65,26.89 77.09,27.45 v1(77.09,27.5) ; 77.65,26.89 78.92,25.62 ; REF**#598.2 20.93,96.68 21.17,96.92 21.57,96.92 REF**#518.2 ; REF**#598.2 20.51,96.75 REF**#649.1 ; REF**#632.2 REF**#697.2 REF**#849.2 REF**#803.2 REF**#456.2 REF**#773.2 REF**#781.2 REF**#792.2 REF**#540.2 REF**#660.2 33.99,96.07 35.85,96.07 REF**#505.1 35.92,96.04 REF**#601.1 37.2,96.78 v1(37.5,97.08) ; v1(50.73,25.37) 50.05,26.05 U1.F11 50.66,26.67 v1(50.7,26.67) ; 55.78,33.06 U1.L5 U1.K4 ; 76.38,26.89 75.11,28.16 75.79,28.84 ; 76.38,26.89 76.48,26.89 v1(77.09,27.5) ; 76.38,26.89 75.11,25.62 ; 55.78,29.25 55.78,29.23 U1.L9 56.37,28.6 v1(55.81,28.04) ; 60.18,59.07 60.18,59.02 v1(60.83,58.37) ; v1(21.16,58.43) 21.95,58.43 ; v1(97.14,9.72) 97.53,10.11 REF**#634.1 ; 78.92,21.81 78.32,21.21 ; 1.59,56.4 v1(1.59,59.28) 1.97,59.66 REF**#808.1 2.73,60.71 3.61,61.59 3.61,62.57 ; v1(79.64,24.96) 79.64,25.07 80.19,25.62 ; v1(79.64,24.96) 79.58,24.96 78.92,25.62 ; v1(78.37,25.02) 78.37,25.07 78.92,25.62 ; REF**#609.2 23.5,28.93 v1(23.38,28.81) 23.38,28.16 23.58,27.96 REF**#820.2 ; 54.51,34.33 54.51,34.3 U1.K5 U1.L4 55.81,35.54 v1(55.76,35.54) 55.72,35.54 U1.K4 ; 54.51,34.33 U1.K4 ; U23.G11 v1(34.66,80.05) U23.H10 34.75,81.3 v1(34.66,81.3) ; 1.53,51.96 v1(1.53,49.1) 1.53,49.09 2.02,48.6 REF**#728.2 2.78,47.88 3.05,47.61 4.33,47.61 4.79,48.07 4.79,48.69 5.25,49.15 7.75,49.15 8.66,50.06 8.76,50.06 ; 113.63,52.29 J8.64 ; 85.39,7.77 85.39,8.46 ; v3(134.01,10.34) 133.92,10.25 133.92,8.58 J5.2 ; 82.73,28.16 82.19,27.62 v1(82.19,27.5) ; 82.73,28.16 84,28.16 ; U9.4 22.82,48.61 22.92,48.71 v1(25.61,48.71) ; REF**#735.1 66.59,18.89 ; 55.13,24.79 U1.L13 ; REF**#649.1 20.81,98.21 21.23,98.63 21.23,98.82 21.59,99.18 REF**#658.2 ; 46.21,59.07 45.54,58.4 v1(45.54,58.39) ; v1(85.31,56.3) 85.31,56.84 85.24,56.91 ; v1(24.04,54.24) 24.12,54.16 U9.13 24.12,52.08 24.51,51.69 REF**#614.1 REF**#742.1 ; REF**#587.1 124.46,44.26 124.79,44.59 124.79,45.29 125.36,45.86 REF**#688.2 ; v1(55.75,52.05) 55.7,52.05 55.1,51.45 ; REF**#859.7 139.75,18.59 140.16,19 140.82,19 141.11,19.29 141.11,20.51 ; v1(43.5,44.21) 43.55,44.16 REF**#718.2 ; 78.32,21.21 77.65,20.54 ; v1(79.62,28.76) 80.19,28.19 ; v1(22.99,31.89) 23.16,32.06 REF**#779.2 ; v1(69.4,96.13) 68.65,95.38 U44.4 68.65,93.14 68.66,93.14 U44.5 ; v3(131.17,31.4) 130.79,31.4 130.58,31.61 130.58,32.61 ; REF**#850.2 37.87,21.22 38.84,21.22 v1(39.44,20.62) ; v1(85.23,61.13) 85.23,60.48 85.24,60.47 ; v1(71.14,7.86) 70.48,7.86 ; v1(10.87,7.97) 11.55,7.97 ; U23.L11 39.66,79.97 ; REF**#682.1 REF**#453.2 94.82,26.66 REF**#838.1 96.71,26.66 v1(96.79,26.58) ; v1(53.16,65.99) 53.16,66.07 53.82,66.72 ; 85.39,4.25 85.39,3.53 ; v1(59.52,45.2) 60.7,45.2 61.12,44.78 REF**#746.2 ; 8.76,50.06 10.77,50.06 10.76,50.05 U8#2.15 10.76,45.85 v1(10.68,45.77) ; U39.10 130.23,35.15 130.21,35.17 130.21,34.5 U39.9 ; U34.14 61.8,14.45 v1(62.38,14.45) ; J8.68 116.83,47.2 117.19,46.84 118.16,46.84 118.43,47.11 J8.70 118.43,51.81 v5(118.65,52.03) ; 62.7,68.59 62.7,67.99 ; v1(6.86,54.58) 4.15,54.58 X2.3 ; REF**#736.1 60.75,92.88 ; 29.57,88.93 U23.D3 ; 82.19,26.35 82,26.35 ; v1(66.68,29.53) 66.52,29.69 REF**#710.1 ; U23.E11 32.12,80.05 ; REF**#586.2 v1(18.14,74.13) ; v1(30.84,83.87) 30.84,83.94 U23.D7 ; v1(15.62,7.93) 15.11,7.93 ; v1(26.17,58.41) 25.63,58.41 ; 128.28,45.86 REF**#754.2 ; 62.72,48.05 62.72,48.91 ; 120.17,25.93 120.17,26.43 120.84,27.1 v3(121.13,27.1) ; U23.J4 36.02,88.92 v1(35.92,88.92) ; 68.76,44.41 REF**#595.2 ; REF**#583.2 v1(18.28,91.98) ; 122.43,52.07 J8.75 ; v1(27.05,80.06) U23.B10
  BC2 w0.5: REF**#730.1 12.77,98.83 13.41,99.47 v1(15.23,99.47) 15.73,99.97 ; 15.73,99.97 15.89,99.81 19.49,99.81 20.25,100.57 21.63,100.57 22.18,101.12 REF**#640.1 ; 15.73,99.97 15.73,101.18 REF**#755.2 17.24,102.69 17.24,103.4 ; REF**#458.1 134.9,46 ; v1(38.96,103.1) 39,103.14 REF**#776.2 ; 43.63,11.81 REF**#722.1 ; REF**#839.1 79.3,61.14 79.04,60.87 REF**#530.1 78.91,60.27 v1(78.02,60.27) ; v3(104.44,42.91) 104.44,43.23 104.78,43.57 REF**#706.1 ; v3(99.3,42.74) 99.3,43.21 99.69,43.6 REF**#833.1 ; 93.71,29.85 92.92,29.85 v1(92.83,29.76) ; REF**#521.2 v1(67.21,46.53) 67.21,46.66 67.75,47.2 REF**#847.2 ; 107.3,42.55 REF**#802.1 ; v1(68.27,56.72) 67.81,57.18 REF**#831.1 ; 14.54,50.88 14.54,47.96 U8#2.12 ; 14.54,50.88 14.54,53.72 14.58,53.76 ; 14.54,50.88 18.32,50.88 18.38,50.82 ; REF**#661.1 45.82,87.22 v1(45.46,86.86) ; v1(78.02,60.27) 77.54,59.79 REF**#829.1 ; v1(78.02,60.27) 78.02,61.82 77.41,62.43 REF**#770.2 ; v1(78.02,60.27) 77.5,60.79 REF**#829.2 ; v3(101.73,14.39) 101.73,13.77 101.25,13.29 REF**#692.2 ; v1(23.99,102.7) 25.13,102.7 ; 40.7,96.83 REF**#772.2 ; v1(21.15,94.26) 21.15,93.69 ; 129.24,36.65 129.24,35.73 128.78,35.27 v3(127.23,35.27) ; 39.61,3.77 39.65,3.81 REF**#470.2 38.51,3.83 v1(37.5,4.84) ; REF**#667.1 v1(22.6,64.13) ; REF**#544.2 REF**#784.2 ; REF**#544.2 REF**#645.2 REF**#696.2 ; REF**#544.2 28.42,99.05 28.42,100.56 REF**#714.2 26.74,100.84 ; v1(47.56,95.42) 47.64,95.42 48.25,96.03 REF**#588.1 REF**#477.1 ; 53.4,95.96 56.83,95.96 v1(56.93,95.86) ; v1(54.37,100.61) 54.56,100.61 55.08,100.09 REF**#515.2 55.65,99.2 55.92,99.47 56.42,99.47 ; v1(79.16,39.08) 79.24,39 REF**#520.2 ; 22.18,101.71 23.15,102.68 23.15,103.58 23.38,103.81 REF**#460.1 ; v3(101.91,43.02) 101.97,43.08 REF**#630.1 ; v1(60.42,102.07) 59.26,102.07 REF**#837.1 59.19,100.99 59.74,100.43 REF**#734.2 ; v1(33.53,68.35) 33.53,68.71 33.05,69.19 REF**#606.1 32.85,69.91 32.54,69.91 ; REF**#572.2 26.57,64.33 v1(25.61,63.37) ; U52.10 8.03,102.65 v1(6.76,102.65) ; v1(47.07,91.3) 47.78,92.01 REF**#503.1 ; REF**#724.2 31.08,65.12 31.65,64.55 v1(31.65,63.98) ; REF**#834.2 55.79,104.13 55.07,103.41 v1(54.35,103.41) ; REF**#542.1 47.02,80.83 46.85,80.66 ; 18.38,50.82 18.38,50.53 v1(18.84,50.06) ; 18.38,50.82 U8#2.8 19.32,53.82 v1(19.39,53.75) ; v1(59.42,86.2) 59.91,86.2 60.23,85.88 REF**#558.1 REF**#463.2 61.95,87.34 REF**#508.1 ; REF**#622.3 8.37,61.86 v1(9.16,61.86) 9.47,62.17 REF**#646.1 ; v1(42.2,99.81) 42.2,100.13 41.88,100.45 REF**#801.1 ; REF**#845.2 34.37,70.08 34.2,69.91 32.54,69.91 ; REF**#788.2 52.9,104.73 v1(53.14,104.49) ; 134.03,15.44 134.03,16.51 134.02,16.52 134.02,18.13 v3(133.69,18.46) 132.2,18.46 131.75,18.01 ; v1(25.59,68.34) 25.59,69.44 REF**#512.1 REF**#775.1 ; v1(37.55,99.94) 36.65,99.04 REF**#525.2 REF**#475.2 REF**#737.2 REF**#731.2 REF**#826.2 ; v1(23.21,24.9) 23.23,24.92 REF**#545.2 ; REF**#678.2 29.58,64.13 ; v1(23.14,88.74) 22.48,88.08 REF**#496.1 ; REF**#804.1 95.92,13.53 v1(96.6,14.21) ; REF**#763.1 73.56,56.61 v1(73.83,56.34) ; v1(67.24,100.46) 67.48,100.46 67.87,100.85 REF**#844.1 ; 32.54,69.91 REF**#732.3 ; REF**#824.2 4.01,82.12 v1(3.57,82.56) 2.74,82.56 2.09,81.91 ; v1(64.21,84.63) 64.21,84.86 REF**#805.1 ; 66.39,77.1 REF**#662.1 66.39,74.77 v1(67.16,74) 67.25,74.09 68.14,74.09 REF**#774.2 ; 106.14,41.13 REF**#533.1 ; REF**#719.1 46.66,80.84 v1(46.83,80.66) ; v3(110.1,42.25) 110.1,42.71 109.59,43.22 REF**#843.1 ; v1(20.52,85.13) 21.02,84.63 REF**#720.2 ; 18.72,77.53 REF**#536.2 ; REF**#704.2 60.89,92.72 v1(60.74,92.87) ; v1(43.85,7.47) 41.43,7.47
  BC2 w0.6: REF**#666.2 20.15,80.86 v1(19.98,80.69) 20.15,80.52 REF**#739.2
  vias: v1(1.41,102.65) v1(3.21,102.65) v1(6.27,72.67) v1(26.54,97.16) v1(51.02,91.68) v1(67.37,103.07) v1(68.89,103.06) v3(145.06,3.68) v3(147.7,3.69) v15(1.88,3.69) v15(4.3,3.62)
